# Altium PCB STB_LightBoard.PcbDoc (part 20 of 31) (continued)
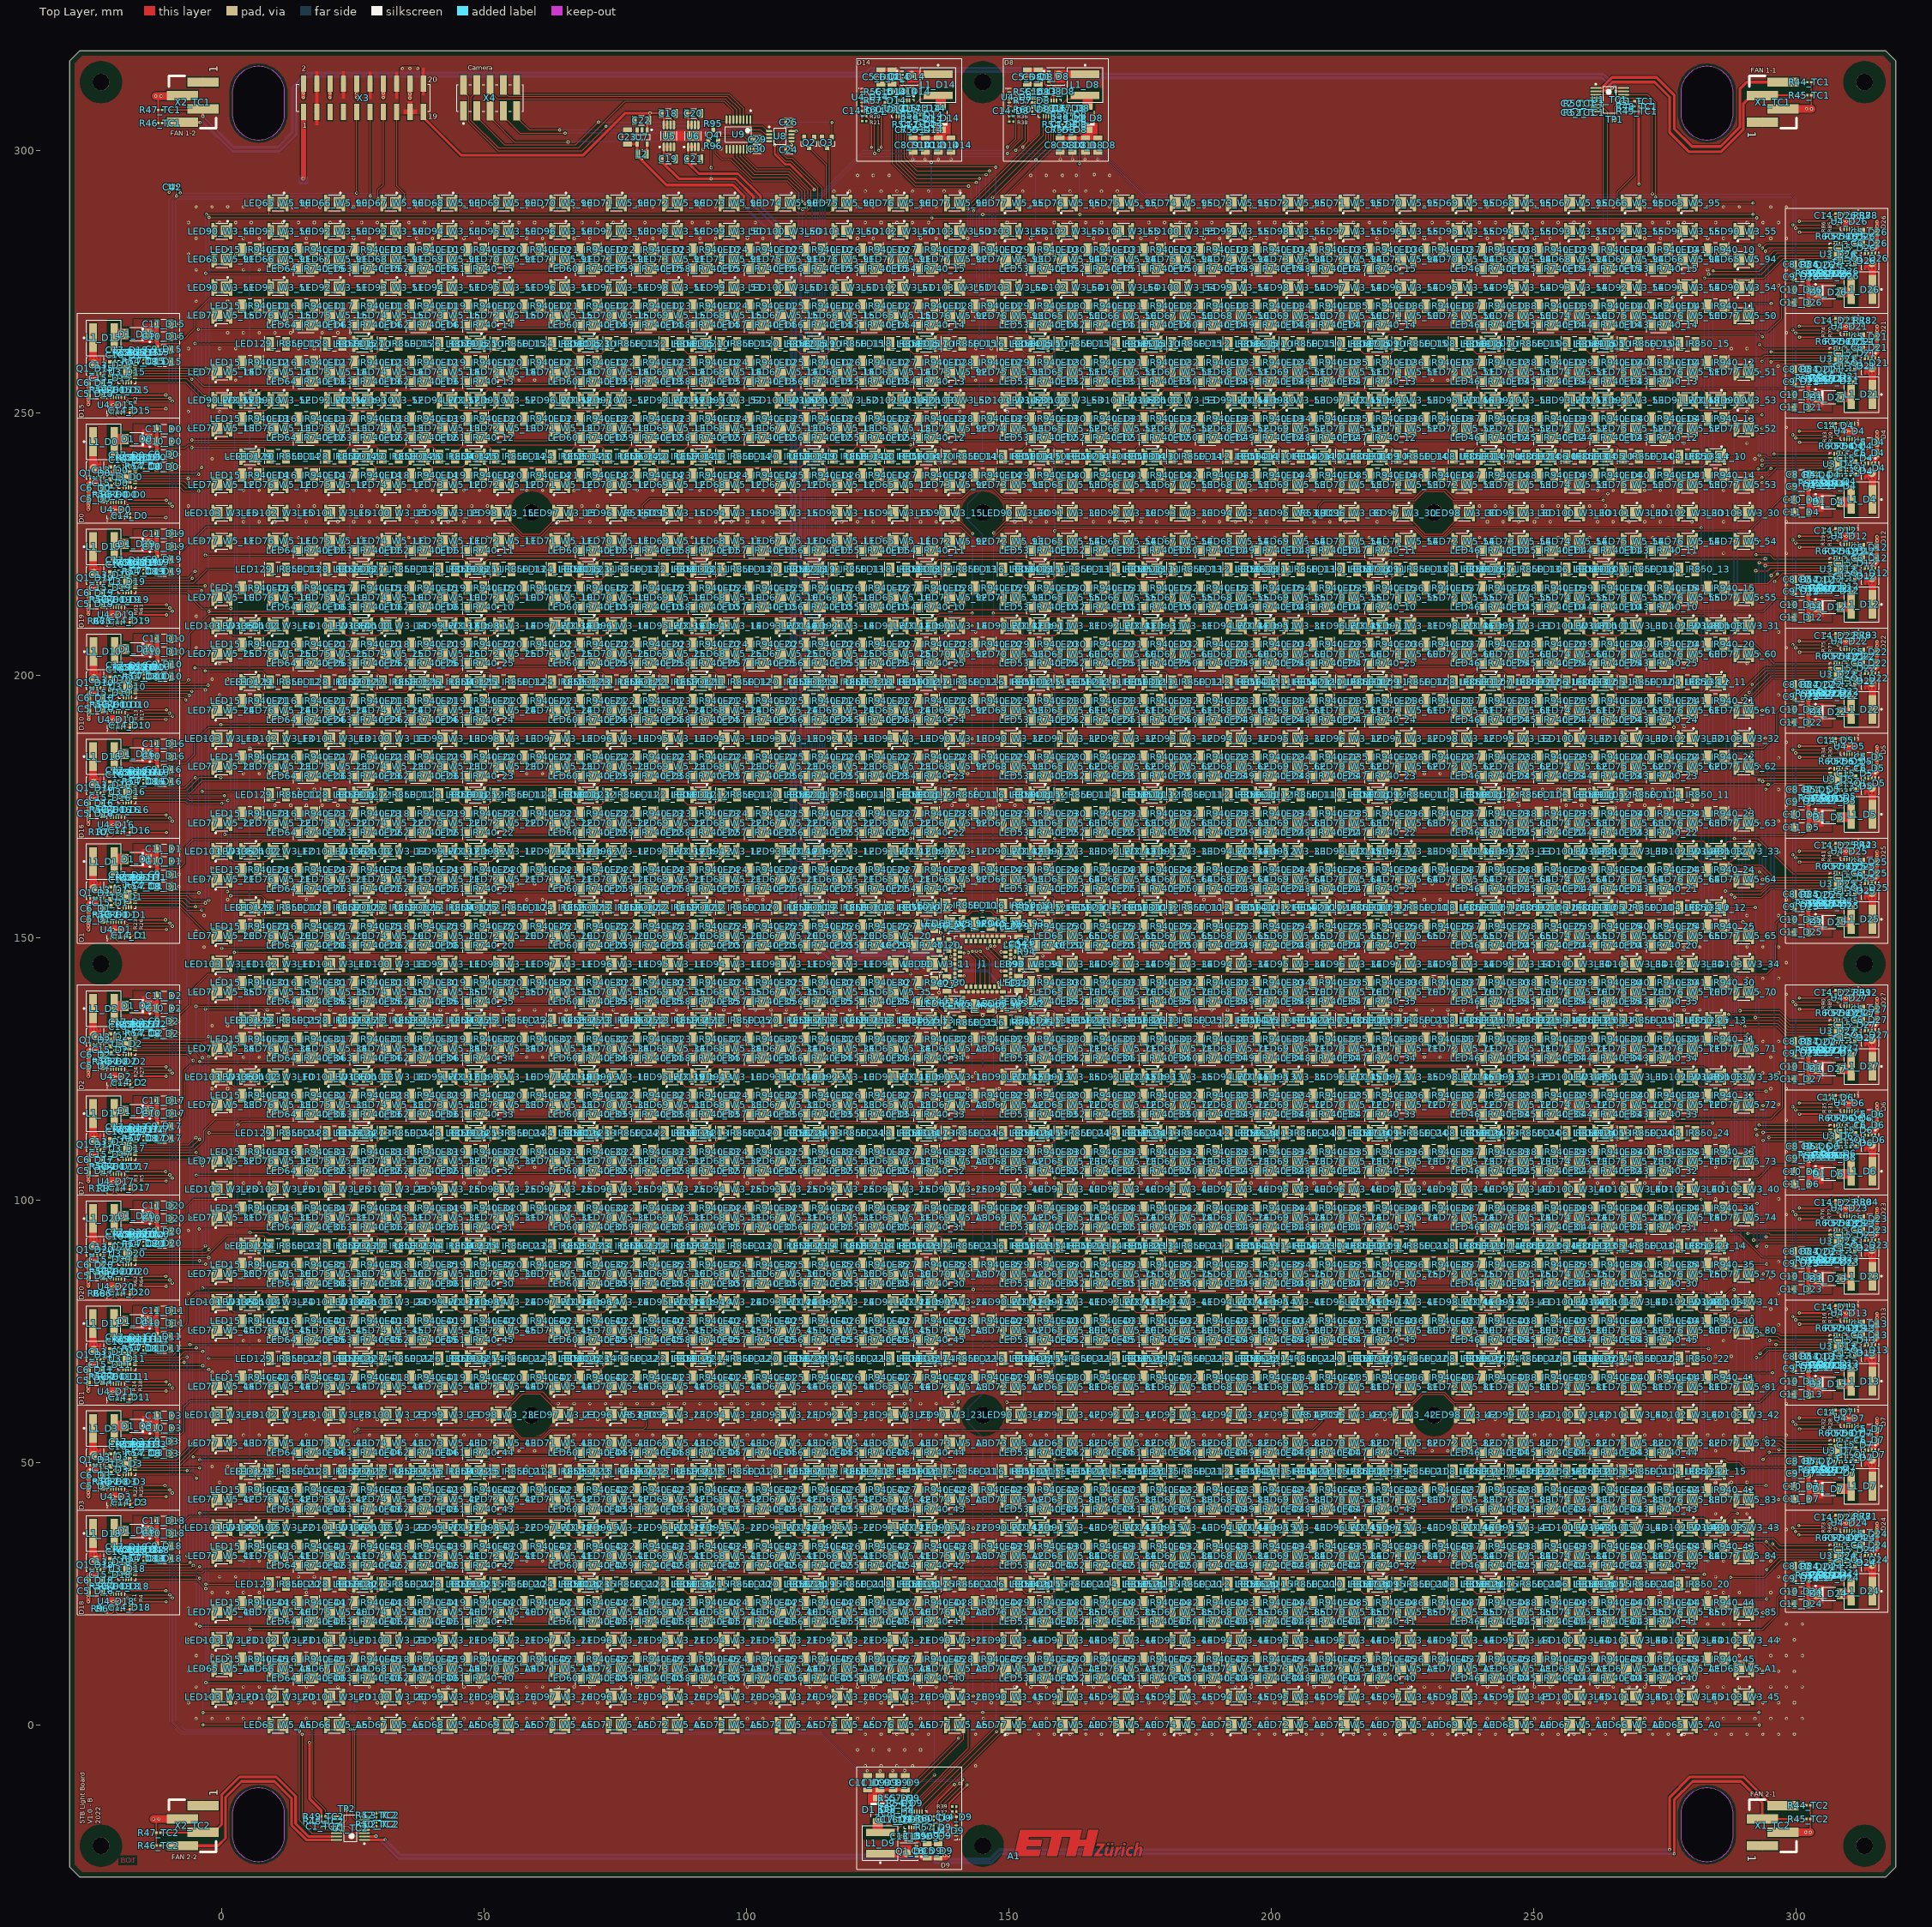
[diagram p0: Top Layer view]
## Nets (pads, with @x,y where several pads share a name; then routed paths per layer and width w, separated by ;. In a path a pad name is that pad's centre, name@x,y a point inside that pad or via, vN(x,y) a via of type N, cw(c..) or ccw(c..) an arc to the next point about the centre after c; other vN are vias at no path point) (continued)
NetLED38_IR940_23_1: LED38_IR940_23.1 LED39_IR940_23.2 | length 8.2
  Top Layer w0.2: LED38_IR940_23.1@253.913,173.656 254.447,174.19 261.12,174.19 LED39_IR940_23.2@261.654,173.656
NetLED38_IR940_24_1: LED38_IR940_24.1 LED39_IR940_24.2 | length 8.2
  Top Layer w0.2: LED38_IR940_24.1@253.913,162.915 254.447,163.449 261.12,163.449 LED39_IR940_24.2@261.654,162.915
NetLED38_IR940_25_1: LED38_IR940_25.1 LED39_IR940_25.2 | length 8.2
  Top Layer w0.2: LED38_IR940_25.1@253.913,152.174 254.447,152.708 261.12,152.708 LED39_IR940_25.2@261.654,152.174
NetLED38_IR940_30_1: LED38_IR940_30.1 LED39_IR940_30.2 | length 8.2
  Top Layer w0.2: LED38_IR940_30.1@253.913,141.433 254.447,141.967 261.12,141.967 LED39_IR940_30.2@261.654,141.433
NetLED38_IR940_31_1: LED38_IR940_31.1 LED39_IR940_31.2 | length 8.2
  Top Layer w0.2: LED38_IR940_31.1@253.913,130.692 254.447,131.226 261.12,131.226 LED39_IR940_31.2@261.654,130.692
NetLED38_IR940_32_1: LED38_IR940_32.1 LED39_IR940_32.2 | length 8.2
  Top Layer w0.2: LED38_IR940_32.1@253.913,119.951 254.447,120.485 261.12,120.485 LED39_IR940_32.2@261.654,119.951
NetLED38_IR940_33_1: LED38_IR940_33.1 LED39_IR940_33.2 | length 8.2
  Top Layer w0.2: LED38_IR940_33.1@253.913,109.21 254.447,109.744 261.12,109.744 LED39_IR940_33.2@261.654,109.21
NetLED38_IR940_34_1: LED38_IR940_34.1 LED39_IR940_34.2 | length 8.2
  Top Layer w0.2: LED38_IR940_34.1@253.913,98.469 254.447,99.003 261.12,99.003 LED39_IR940_34.2@261.654,98.469
NetLED38_IR940_35_1: LED38_IR940_35.1 LED39_IR940_35.2 | length 8.2
  Top Layer w0.2: LED38_IR940_35.1@253.913,87.728 254.447,88.262 261.12,88.262 LED39_IR940_35.2@261.654,87.728
NetLED38_IR940_40_1: LED38_IR940_40.1 LED39_IR940_40.2 | length 8.2
  Top Layer w0.2: LED38_IR940_40.1@253.913,76.987 254.447,77.521 261.12,77.521 LED39_IR940_40.2@261.654,76.987
NetLED38_IR940_41_1: LED38_IR940_41.1 LED39_IR940_41.2 | length 8.2
  Top Layer w0.2: LED38_IR940_41.1@253.913,66.246 254.447,66.78 261.12,66.78 LED39_IR940_41.2@261.654,66.246
NetLED38_IR940_42_1: LED38_IR940_42.1 LED39_IR940_42.2 | length 8.2
  Top Layer w0.2: LED38_IR940_42.1@253.913,44.764 254.447,45.298 261.12,45.298 LED39_IR940_42.2@261.654,44.764
NetLED38_IR940_43_1: LED38_IR940_43.1 LED39_IR940_43.2 | length 8.2
  Top Layer w0.2: LED38_IR940_43.1@253.913,34.023 254.447,34.557 261.12,34.557 LED39_IR940_43.2@261.654,34.023
NetLED38_IR940_44_1: LED38_IR940_44.1 LED39_IR940_44.2 | length 8.2
  Top Layer w0.2: LED38_IR940_44.1@253.913,23.282 254.447,23.816 261.12,23.816 LED39_IR940_44.2@261.654,23.282
NetLED38_IR940_45_1: LED38_IR940_45.1 LED39_IR940_45.2 | length 8.2
  Top Layer w0.2: LED38_IR940_45.1@253.913,12.541 254.447,13.075 261.12,13.075 LED39_IR940_45.2@261.654,12.541
NetLED39_IR940_10_1: LED39_IR940_10.1 LED40_IR940_10.2 | length 8.2
  Top Layer w0.2: LED39_IR940_10.1@264.654,281.066 265.188,281.6 271.861,281.6 LED40_IR940_10.2@272.395,281.066
NetLED39_IR940_11_1: LED39_IR940_11.1 LED40_IR940_11.2 | length 8.2
  Top Layer w0.2: LED39_IR940_11.1@264.654,270.325 265.188,270.859 271.861,270.859 LED40_IR940_11.2@272.395,270.325
NetLED39_IR940_12_1: LED39_IR940_12.1 LED40_IR940_12.2 | length 8.2
  Top Layer w0.2: LED39_IR940_12.1@264.654,259.584 265.188,260.118 271.861,260.118 LED40_IR940_12.2@272.395,259.584
NetLED39_IR940_13_1: LED39_IR940_13.1 LED40_IR940_13.2 | length 8.2
  Top Layer w0.2: LED39_IR940_13.1@264.654,248.843 265.188,249.377 271.861,249.377 LED40_IR940_13.2@272.395,248.843
NetLED39_IR940_14_1: LED39_IR940_14.1 LED40_IR940_14.2 | length 8.2
  Top Layer w0.2: LED39_IR940_14.1@264.654,238.102 265.188,238.636 271.861,238.636 LED40_IR940_14.2@272.395,238.102
NetLED39_IR940_15_1: LED39_IR940_15.1 LED40_IR940_15.2 | length 8.2
  Top Layer w0.2: LED39_IR940_15.1@264.654,216.62 265.188,217.154 271.861,217.154 LED40_IR940_15.2@272.395,216.62
NetLED39_IR940_20_1: LED39_IR940_20.1 LED40_IR940_20.2 | length 8.2
  Top Layer w0.2: LED39_IR940_20.1@264.654,205.879 265.188,206.413 271.861,206.413 LED40_IR940_20.2@272.395,205.879
NetLED39_IR940_21_1: LED39_IR940_21.1 LED40_IR940_21.2 | length 8.2
  Top Layer w0.2: LED39_IR940_21.1@264.654,195.138 265.188,195.672 271.861,195.672 LED40_IR940_21.2@272.395,195.138
NetLED39_IR940_22_1: LED39_IR940_22.1 LED40_IR940_22.2 | length 8.2
  Top Layer w0.2: LED39_IR940_22.1@264.654,184.397 265.188,184.931 271.861,184.931 LED40_IR940_22.2@272.395,184.397
NetLED39_IR940_23_1: LED39_IR940_23.1 LED40_IR940_23.2 | length 8.2
  Top Layer w0.2: LED39_IR940_23.1@264.654,173.656 265.188,174.19 271.861,174.19 LED40_IR940_23.2@272.395,173.656
NetLED39_IR940_24_1: LED39_IR940_24.1 LED40_IR940_24.2 | length 8.2
  Top Layer w0.2: LED39_IR940_24.1@264.654,162.915 265.188,163.449 271.861,163.449 LED40_IR940_24.2@272.395,162.915
NetLED39_IR940_25_1: LED39_IR940_25.1 LED40_IR940_25.2 | length 8.2
  Top Layer w0.2: LED39_IR940_25.1@264.654,152.174 265.188,152.708 271.861,152.708 LED40_IR940_25.2@272.395,152.174
NetLED39_IR940_30_1: LED39_IR940_30.1 LED40_IR940_30.2 | length 8.2
  Top Layer w0.2: LED39_IR940_30.1@264.654,141.433 265.188,141.967 271.861,141.967 LED40_IR940_30.2@272.395,141.433
NetLED39_IR940_31_1: LED39_IR940_31.1 LED40_IR940_31.2 | length 8.2
  Top Layer w0.2: LED39_IR940_31.1@264.654,130.692 265.188,131.226 271.861,131.226 LED40_IR940_31.2@272.395,130.692
NetLED39_IR940_32_1: LED39_IR940_32.1 LED40_IR940_32.2 | length 8.2
  Top Layer w0.2: LED39_IR940_32.1@264.654,119.951 265.188,120.485 271.861,120.485 LED40_IR940_32.2@272.395,119.951
NetLED39_IR940_33_1: LED39_IR940_33.1 LED40_IR940_33.2 | length 8.2
  Top Layer w0.2: LED39_IR940_33.1@264.654,109.21 265.188,109.744 271.861,109.744 LED40_IR940_33.2@272.395,109.21
NetLED39_IR940_34_1: LED39_IR940_34.1 LED40_IR940_34.2 | length 8.2
  Top Layer w0.2: LED39_IR940_34.1@264.654,98.469 265.188,99.003 271.861,99.003 LED40_IR940_34.2@272.395,98.469
NetLED39_IR940_35_1: LED39_IR940_35.1 LED40_IR940_35.2 | length 8.2
  Top Layer w0.2: LED39_IR940_35.1@264.654,87.728 265.188,88.262 271.861,88.262 LED40_IR940_35.2@272.395,87.728
NetLED39_IR940_40_1: LED39_IR940_40.1 LED40_IR940_40.2 | length 8.2
  Top Layer w0.2: LED39_IR940_40.1@264.654,76.987 265.188,77.521 271.861,77.521 LED40_IR940_40.2@272.395,76.987
NetLED39_IR940_41_1: LED39_IR940_41.1 LED40_IR940_41.2 | length 8.2
  Top Layer w0.2: LED39_IR940_41.1@264.654,66.246 265.188,66.78 271.861,66.78 LED40_IR940_41.2@272.395,66.246
NetLED39_IR940_42_1: LED39_IR940_42.1 LED40_IR940_42.2 | length 8.2
  Top Layer w0.2: LED39_IR940_42.1@264.654,44.764 265.188,45.298 271.861,45.298 LED40_IR940_42.2@272.395,44.764
NetLED39_IR940_43_1: LED39_IR940_43.1 LED40_IR940_43.2 | length 8.2
  Top Layer w0.2: LED39_IR940_43.1@264.654,34.023 265.188,34.557 271.861,34.557 LED40_IR940_43.2@272.395,34.023
NetLED39_IR940_44_1: LED39_IR940_44.1 LED40_IR940_44.2 | length 8.2
  Top Layer w0.2: LED39_IR940_44.1@264.654,23.282 265.188,23.816 271.861,23.816 LED40_IR940_44.2@272.395,23.282
NetLED39_IR940_45_1: LED39_IR940_45.1 LED40_IR940_45.2 | length 8.2
  Top Layer w0.2: LED39_IR940_45.1@264.654,12.541 265.188,13.075 271.861,13.075 LED40_IR940_45.2@272.395,12.541
NetLED40_IR940_10_1: LED40_IR940_10.1 LED41_IR940_10.2 | length 6.7
  Top Layer w0.2: LED40_IR940_10.1@275.929,281.6 LED41_IR940_10.2@282.602,281.6
NetLED40_IR940_11_1: LED40_IR940_11.1 LED41_IR940_11.2 | length 6.7
  Top Layer w0.2: LED40_IR940_11.1@275.929,270.859 LED41_IR940_11.2@282.602,270.859
NetLED40_IR940_12_1: LED40_IR940_12.1 LED41_IR940_12.2 | length 6.7
  Top Layer w0.2: LED40_IR940_12.1@275.929,260.118 LED41_IR940_12.2@282.602,260.118
NetLED40_IR940_13_1: LED40_IR940_13.1 LED41_IR940_13.2 | length 6.7
  Top Layer w0.2: LED40_IR940_13.1@275.929,249.377 LED41_IR940_13.2@282.602,249.377
NetLED40_IR940_14_1: LED40_IR940_14.1 LED41_IR940_14.2 | length 6.7
  Top Layer w0.2: LED40_IR940_14.1@275.929,238.636 LED41_IR940_14.2@282.602,238.636
NetLED40_IR940_15_1: LED40_IR940_15.1 LED41_IR940_15.2 | length 6.7
  Top Layer w0.2: LED40_IR940_15.1@275.929,217.154 LED41_IR940_15.2@282.602,217.154
NetLED40_IR940_20_1: LED40_IR940_20.1 LED41_IR940_20.2 | length 6.7
  Top Layer w0.2: LED40_IR940_20.1@275.929,206.413 LED41_IR940_20.2@282.602,206.413
NetLED40_IR940_21_1: LED40_IR940_21.1 LED41_IR940_21.2 | length 6.7
  Top Layer w0.2: LED40_IR940_21.1@275.929,195.672 LED41_IR940_21.2@282.602,195.672
NetLED40_IR940_22_1: LED40_IR940_22.1 LED41_IR940_22.2 | length 6.7
  Top Layer w0.2: LED40_IR940_22.1@275.929,184.931 LED41_IR940_22.2@282.602,184.931
NetLED40_IR940_23_1: LED40_IR940_23.1 LED41_IR940_23.2 | length 6.7
  Top Layer w0.2: LED40_IR940_23.1@275.929,174.19 LED41_IR940_23.2@282.602,174.19
NetLED40_IR940_24_1: LED40_IR940_24.1 LED41_IR940_24.2 | length 6.7
  Top Layer w0.2: LED40_IR940_24.1@275.929,163.449 LED41_IR940_24.2@282.602,163.449
NetLED40_IR940_25_1: LED40_IR940_25.1 LED41_IR940_25.2 | length 6.7
  Top Layer w0.2: LED40_IR940_25.1@275.929,152.708 LED41_IR940_25.2@282.602,152.708
NetLED40_IR940_30_1: LED40_IR940_30.1 LED41_IR940_30.2 | length 6.7
  Top Layer w0.2: LED40_IR940_30.1@275.929,141.967 LED41_IR940_30.2@282.602,141.967
NetLED40_IR940_31_1: LED40_IR940_31.1 LED41_IR940_31.2 | length 6.7
  Top Layer w0.2: LED40_IR940_31.1@275.929,131.226 LED41_IR940_31.2@282.602,131.226
NetLED40_IR940_32_1: LED40_IR940_32.1 LED41_IR940_32.2 | length 6.7
  Top Layer w0.2: LED40_IR940_32.1@275.929,120.485 LED41_IR940_32.2@282.602,120.485
NetLED40_IR940_33_1: LED40_IR940_33.1 LED41_IR940_33.2 | length 6.7
  Top Layer w0.2: LED40_IR940_33.1@275.929,109.744 LED41_IR940_33.2@282.602,109.744
NetLED40_IR940_34_1: LED40_IR940_34.1 LED41_IR940_34.2 | length 6.7
  Top Layer w0.2: LED40_IR940_34.1@275.929,99.003 LED41_IR940_34.2@282.602,99.003
NetLED40_IR940_35_1: LED40_IR940_35.1 LED41_IR940_35.2 | length 6.7
  Top Layer w0.2: LED40_IR940_35.1@275.929,88.262 LED41_IR940_35.2@282.602,88.262
NetLED40_IR940_40_1: LED40_IR940_40.1 LED41_IR940_40.2 | length 6.7
  Top Layer w0.2: LED40_IR940_40.1@275.929,77.521 LED41_IR940_40.2@282.602,77.521
NetLED40_IR940_41_1: LED40_IR940_41.1 LED41_IR940_41.2 | length 6.7
  Top Layer w0.2: LED40_IR940_41.1@275.929,66.78 LED41_IR940_41.2@282.602,66.78
NetLED40_IR940_42_1: LED40_IR940_42.1 LED41_IR940_42.2 | length 6.7
  Top Layer w0.2: LED40_IR940_42.1@275.929,45.298 LED41_IR940_42.2@282.602,45.298
NetLED40_IR940_43_1: LED40_IR940_43.1 LED41_IR940_43.2 | length 6.7
  Top Layer w0.2: LED40_IR940_43.1@275.929,34.557 LED41_IR940_43.2@282.602,34.557
NetLED40_IR940_44_1: LED40_IR940_44.1 LED41_IR940_44.2 | length 6.7
  Top Layer w0.2: LED40_IR940_44.1@275.929,23.816 LED41_IR940_44.2@282.602,23.816
NetLED40_IR940_45_1: LED40_IR940_45.1 LED41_IR940_45.2 | length 6.7
  Top Layer w0.2: LED40_IR940_45.1@275.929,13.075 LED41_IR940_45.2@282.602,13.075
NetLED41_IR940_10_1: LED41_IR940_10.1 U3_D21.10 | length 39.7
  Top Layer w0.2: LED41_IR940_10.1@286.786,281.932 286.786,281.935 v1(292.965,281.935) ; v1(292.968,263.032) 293.8,262.2 U3_D21.10@307.25,262.2
  Bottom Layer w0.2: v1(292.965,281.935) 292.989,281.911 292.989,263.053 v1(292.968,263.032)
NetLED41_IR940_11_1: LED41_IR940_11.1 U3_D21.11 | length 29.1
  Top Layer w0.2: LED41_IR940_11.1@286.786,270.896 286.786,270.86 v1(295.23,270.86) ; v1(295.192,261.62) 295.538,261.62 295.726,261.431 306.481,261.431 U3_D21.11@306.5,261.45
  Bottom Layer w0.2: v1(295.192,261.62) 295.214,261.641 295.214,270.844 v1(295.23,270.86)
NetLED41_IR940_12_1: LED41_IR940_12.1 U3_D21.12 | length 19.9
  Top Layer w0.2: LED41_IR940_12.1@286.786,260.45 293.45,260.45 293.93,260.93 U3_D21.12@306.159,260.93 ; U3_D21.12@306.16,260.931 306.481,260.931 U3_D21.12@306.5,260.95
NetLED41_IR940_13_1: LED41_IR940_13.1 U3_D21.13 | length 31.2
  Top Layer w0.2: LED41_IR940_13.1@286.136,248.843 286.136,248.962 286.786,249.612 v1@293.488,249.612 ; v1(293.5,259.8) 294.15,260.45 U3_D21.13@306.5,260.45
  Bottom Layer w0.2: v1(293.5,249.6) 293.5,254.273 293.514,254.287 293.514,258.565 293.5,258.579 v1(293.5,259.8)
NetLED41_IR940_14_1: LED41_IR940_14.1 U3_D21.14 | length 40.4
  Top Layer w0.2: LED41_IR940_14.1@286.786,238.766 294.538,238.766 295.149,239.377 v1(295.201,239.377) ; v1(295.192,259.684) 295.269,259.762 295.479,259.762 295.667,259.95 U3_D21.14@306.5,259.95
  Bottom Layer w0.2: v1(295.192,259.684) 295.192,239.386 v1(295.201,239.377)
NetLED41_IR940_15_1: LED41_IR940_15.1 U3_D21.15 | length 60.3
  Top Layer w0.2: LED41_IR940_15.1@286.786,217.486 294.586,217.486 296.414,219.314 v1(296.433,219.314) ; v1(296.546,258.896) 297.1,259.45 U3_D21.15@306.5,259.45
  Bottom Layer w0.2: v1(296.433,219.314) 296.49,219.37 v1@296.49,258.833 ; v1@296.49,258.833 296.549,258.893 v1@296.49,258.833
NetLED41_IR940_20_1: LED41_IR940_20.1 U3_D22.10 | length 22.6
  Top Layer w0.2: LED41_IR940_20.1@286.136,205.879 287.895,205.879 287.903,205.887 292.113,205.887 295.8,202.2 U3_D22.10@307.25,202.2
NetLED41_IR940_21_1: LED41_IR940_21.1 U3_D22.11 | length 23
  Top Layer w0.2: LED41_IR940_21.1@286.136,195.138 287.755,195.138 294.067,201.45 U3_D22.11@306.5,201.45
NetLED41_IR940_22_1: LED41_IR940_22.1 U3_D22.12 | length 38.6
  Top Layer w0.2: v1(291.6,198.2) 294.35,200.95 U3_D22.12@306.5,200.95 ; LED41_IR940_22.1@286.786,185.263 291.6,185.263 LED41_IR940_22.1@286.786,185.263
  Bottom Layer w0.2: v1(291.6,185.3) v1(291.6,198.2)
NetLED41_IR940_23_1: LED41_IR940_23.1 U3_D22.13 | length 47.9
  Top Layer w0.2: v1(291.046,196.7) 291.046,196.746 294.75,200.45 U3_D22.13@306.5,200.45 ; LED41_IR940_23.1@286.786,174.522 291.092,174.522 LED41_IR940_23.1@286.786,174.522
  Bottom Layer w0.2: v1(291.046,196.7) 291.046,174.546 v1(291.092,174.5)
NetLED41_IR940_24_1: LED41_IR940_24.1 U3_D22.14 | length 54.2
  Top Layer w0.2: LED41_IR940_24.1@286.786,163.246 286.786,163.211 v1(290.3,163.211) ; v1(290.4,196.1) 291.4,196.1 295.25,199.95 U3_D22.14@306.5,199.95
  Bottom Layer w0.2: v1(290.3,163.211) 290.35,163.261 290.35,196.05 v1(290.4,196.1)
NetLED41_IR940_25_1: LED41_IR940_25.1 U3_D22.15 | length 64.1
  Top Layer w0.2: LED41_IR940_25.1@286.786,153.04 289.814,153.04 v1(289.854,153) ; v1(289.7,195.5) 291.5,195.5 295.45,199.45 U3_D22.15@306.5,199.45
  Bottom Layer w0.2: v1(289.7,195.5) 289.7,153.263 289.854,153.109 v1(289.854,153)
NetLED41_IR940_30_1: LED41_IR940_30.1 U3_D23.10 | length 69.5
  Top Layer w0.2: LED41_IR940_30.1@286.136,141.433 286.136,141.55 286.786,142.2 v1(287.7,142.2) ; v1(287.7,94.246) 287.746,94.2 U3_D23.10@307.25,94.2
  Bottom Layer w0.2: v1(287.7,94.246) v1(287.7,142.2)
NetLED41_IR940_31_1: LED41_IR940_31.1 U3_D23.11 | length 57.9
  Top Layer w0.2: LED41_IR940_31.1@286.786,131.558 286.786,131.6 v1(290.8,131.6) v1@290.842,131.558 ; v1(290.8,93.646) 290.854,93.7 294.8,93.7 295.05,93.45 U3_D23.11@306.5,93.45
  Bottom Layer w0.2: v1(290.8,93.646) v1(290.8,131.6)
NetLED41_IR940_32_1: LED41_IR940_32.1 U3_D23.12 | length 47.5
  Top Layer w0.2: LED41_IR940_32.1@286.786,120.817 286.786,120.75 v1(294.25,120.75) ; v1(294.25,93.004) 294.304,92.95 U3_D23.12@306.5,92.95
  Bottom Layer w0.2: v1(294.25,93.004) v1(294.25,120.75)
NetLED41_IR940_33_1: LED41_IR940_33.1 U3_D23.13 | length 42.5
  Top Layer w0.2: v1(291.9,92.4) 291.95,92.45 U3_D23.13@306.5,92.45 ; LED41_IR940_33.1@286.786,110.076 291.9,110.076 LED41_IR940_33.1@286.786,110.076
  Bottom Layer w0.2: v1(291.9,92.4) v1(291.9,110.1)
NetLED41_IR940_34_1: LED41_IR940_34.1 U3_D23.14 | length 28.3
  Top Layer w0.2: LED41_IR940_34.1@286.786,99.335 286.786,99.356 v1(292.549,99.356) ; v1(292.5,91.2) 293.25,91.95 U3_D23.14@306.5,91.95
  Bottom Layer w0.2: v1(292.5,91.2) 292.549,91.249 v1(292.549,99.356)
NetLED41_IR940_35_1: LED41_IR940_35.1 U3_D23.15 | length 24
  Top Layer w0.2: LED41_IR940_35.1@286.136,87.728 287.884,87.728 287.956,87.8 v1(294.4,87.8) ; v1(294.335,91.163) 294.444,91.163 294.731,91.45 U3_D23.15@306.5,91.45
  Bottom Layer w0.2: v1(294.335,91.163) 294.367,91.13 294.367,87.833 v1(294.4,87.8)
NetLED41_IR940_40_1: LED41_IR940_40.1 U3_D24.10 | length 68.3
  Top Layer w0.2: v1(291.6,35.4) 291.654,35.454 295.646,35.454 296.9,34.2 U3_D24.10@307.25,34.2 ; LED41_IR940_40.1@286.786,77.853 291.6,77.853 LED41_IR940_40.1@286.786,77.853
  Bottom Layer w0.2: v1(291.6,35.4) v1(291.6,77.9)
NetLED41_IR940_41_1: LED41_IR940_41.1 U3_D24.11 | length 52.8
  Top Layer w0.2: LED41_IR940_41.1@286.786,67.112 286.786,67.114 v1(295.491,67.114) ; v1(295.5,34.5) 296.55,33.45 U3_D24.11@306.5,33.45
  Bottom Layer w0.2: v1(295.491,67.114) 295.495,67.109 295.495,34.505 v1(295.5,34.5)
NetLED41_IR940_42_1: LED41_IR940_42.1 U3_D24.12 | length 31.2
  Top Layer w0.2: LED41_IR940_42.1@286.786,45.6 v1(294.254,45.6) ; v1(294.3,34.9) 294.3,34.883 296.233,32.95 U3_D24.12@306.5,32.95
  Bottom Layer w0.2: v1(294.254,45.6) 294.3,45.554 v1(294.3,34.9)
NetLED41_IR940_43_1: LED41_IR940_43.1 U3_D24.13 | length 20.7
  Top Layer w0.2: LED41_IR940_43.1@286.786,34.889 286.786,34.846 293.554,34.846 295.95,32.45 U3_D24.13@306.5,32.45
NetLED41_IR940_44_1: LED41_IR940_44.1 U3_D24.14 | length 26.6
  Top Layer w0.2: LED41_IR940_44.1@286.786,24.3 286.786,24 v1(294.4,24) ; v1(294.4,29.6) 296.75,31.95 U3_D24.14@306.5,31.95
  Bottom Layer w0.2: v1(294.4,24) v1(294.4,29.6)
NetLED41_IR940_45_1: LED41_IR940_45.1 U3_D24.15 | length 38.4
  Top Layer w0.2: v1(287.43,12.541) LED41_IR940_45.1@286.786,12.541 ; v1(287.5,28.123) 293.86,28.123 297.187,31.45 U3_D24.15@306.5,31.45 ; LED41_IR940_45.1@286.786,12.541 286.786,13.407 LED41_IR940_45.1@286.786,12.541
  Bottom Layer w0.2: v1(287.43,12.541) 287.465,12.576 287.465,27.978 287.5,28.013 v1(287.5,28.123)
NetLED42_r_10_1: LED42_r_10.1 LED130_r_10.2 | length 10.5
  Top Layer w0.2: LED42_r_10.1@211.149,241.65 211.149,240.375 211.824,239.7 217.815,239.7 218.49,240.375 LED130_r_10.2@218.49,241.65
NetLED42_r_11_1: LED42_r_11.1 LED130_r_11.2 | length 10.5
  Top Layer w0.2: LED42_r_11.1@211.149,198.686 211.149,197.411 211.824,196.736 217.815,196.736 218.49,197.411 LED130_r_11.2@218.49,198.686
NetLED42_r_12_1: LED42_r_12.1 LED130_r_12.2 | length 10.5
  Top Layer w0.2: LED42_r_12.1@211.149,155.722 211.149,154.447 211.824,153.772 217.815,153.772 218.49,154.447 LED130_r_12.2@218.49,155.722
NetLED42_r_13_1: LED42_r_13.1 LED130_r_13.2 | length 10.5
  Top Layer w0.2: LED42_r_13.1@211.149,134.24 211.149,132.965 211.824,132.29 217.815,132.29 218.49,132.965 LED130_r_13.2@218.49,134.24
NetLED42_r_14_1: LED42_r_14.1 LED130_r_14.2 | length 10.5
  Top Layer w0.2: LED42_r_14.1@211.149,91.276 211.149,90.001 211.824,89.326 217.815,89.326 218.49,90.001 LED130_r_14.2@218.49,91.276
NetLED42_r_15_1: LED42_r_15.1 LED130_r_15.2 | length 10.5
  Top Layer w0.2: LED42_r_15.1@211.149,48.312 211.149,47.037 211.824,46.362 217.815,46.362 218.49,47.037 LED130_r_15.2@218.49,48.312
NetLED43_IR740_10_1: LED43_IR740_10.1 LED44_IR740_10.2 | length 6.7
  Top Layer w0.2: LED44_IR740_10.2@265.088,212.486 271.761,212.486
NetLED43_IR740_11_1: LED43_IR740_11.1 LED44_IR740_11.2 | length 6.7
  Top Layer w0.2: LED44_IR740_11.2@265.088,223.227 271.761,223.227
NetLED43_IR740_12_1: LED43_IR740_12.1 LED44_IR740_12.2 | length 6.7
  Top Layer w0.2: LED44_IR740_12.2@265.088,244.709 271.761,244.709
NetLED43_IR740_13_1: LED43_IR740_13.1 LED44_IR740_13.2 | length 6.7
  Top Layer w0.2: LED44_IR740_13.2@265.088,255.45 271.761,255.45
NetLED43_IR740_14_1: LED43_IR740_14.1 LED44_IR740_14.2 | length 6.7
  Top Layer w0.2: LED44_IR740_14.2@265.088,266.191 271.761,266.191
NetLED43_IR740_15_1: LED43_IR740_15.1 LED44_IR740_15.2 | length 6.7
  Top Layer w0.2: LED44_IR740_15.2@265.088,276.932 271.761,276.932
NetLED43_IR740_20_1: LED43_IR740_20.1 LED44_IR740_20.2 | length 6.7
  Top Layer w0.2: LED44_IR740_20.2@265.088,148.04 271.761,148.04
NetLED43_IR740_21_1: LED43_IR740_21.1 LED44_IR740_21.2 | length 6.7
  Top Layer w0.2: LED44_IR740_21.2@265.088,158.781 271.761,158.781
NetLED43_IR740_22_1: LED43_IR740_22.1 LED44_IR740_22.2 | length 6.7
  Top Layer w0.2: LED44_IR740_22.2@265.088,169.522 271.761,169.522
NetLED43_IR740_23_1: LED43_IR740_23.1 LED44_IR740_23.2 | length 6.7
  Top Layer w0.2: LED44_IR740_23.2@265.088,180.263 271.761,180.263
NetLED43_IR740_24_1: LED43_IR740_24.1 LED44_IR740_24.2 | length 6.7
  Top Layer w0.2: LED44_IR740_24.2@265.088,191.004 271.761,191.004
NetLED43_IR740_25_1: LED43_IR740_25.1 LED44_IR740_25.2 | length 6.7
  Top Layer w0.2: LED44_IR740_25.2@265.088,201.745 271.761,201.745
NetLED43_IR740_30_1: LED43_IR740_30.1 LED44_IR740_30.2 | length 6.7
  Top Layer w0.2: LED44_IR740_30.2@265.088,83.594 271.761,83.594
NetLED43_IR740_31_1: LED43_IR740_31.1 LED44_IR740_31.2 | length 6.7
  Top Layer w0.2: LED44_IR740_31.2@265.088,94.335 271.761,94.335
NetLED43_IR740_32_1: LED43_IR740_32.1 LED44_IR740_32.2 | length 6.7
  Top Layer w0.2: LED44_IR740_32.2@265.088,105.076 271.761,105.076
NetLED43_IR740_33_1: LED43_IR740_33.1 LED44_IR740_33.2 | length 6.7
  Top Layer w0.2: LED44_IR740_33.2@265.088,115.817 271.761,115.817
NetLED43_IR740_34_1: LED43_IR740_34.1 LED44_IR740_34.2 | length 6.7
  Top Layer w0.2: LED44_IR740_34.2@265.088,126.558 271.761,126.558
NetLED43_IR740_35_1: LED43_IR740_35.1 LED44_IR740_35.2 | length 6.7
  Top Layer w0.2: LED44_IR740_35.2@265.088,137.299 271.761,137.299
NetLED43_IR740_40_1: LED43_IR740_40.1 LED44_IR740_40.2 | length 6.7
  Top Layer w0.2: LED44_IR740_40.2@265.088,8.407 271.761,8.407
NetLED43_IR740_41_1: LED43_IR740_41.1 LED44_IR740_41.2 | length 6.7
  Top Layer w0.2: LED44_IR740_41.2@265.088,19.148 271.761,19.148
NetLED43_IR740_42_1: LED43_IR740_42.1 LED44_IR740_42.2 | length 6.7
  Top Layer w0.2: LED44_IR740_42.2@265.088,29.889 271.761,29.889
NetLED43_IR740_43_1: LED43_IR740_43.1 LED44_IR740_43.2 | length 6.7
  Top Layer w0.2: LED44_IR740_43.2@265.088,40.63 271.761,40.63
NetLED43_IR740_44_1: LED43_IR740_44.1 LED44_IR740_44.2 | length 6.7
  Top Layer w0.2: LED44_IR740_44.2@265.088,51.371 271.761,51.371
NetLED43_IR740_45_1: LED43_IR740_45.1 LED44_IR740_45.2 | length 6.7
  Top Layer w0.2: LED44_IR740_45.2@265.088,72.853 271.761,72.853
NetLED44_IR740_10_1: LED44_IR740_10.1 LED45_IR740_10.2 | length 6.7
  Top Layer w0.2: LED45_IR740_10.2@254.347,212.486 261.02,212.486
NetLED44_IR740_11_1: LED44_IR740_11.1 LED45_IR740_11.2 | length 6.7
  Top Layer w0.2: LED45_IR740_11.2@254.347,223.227 261.02,223.227
NetLED44_IR740_12_1: LED44_IR740_12.1 LED45_IR740_12.2 | length 6.7
  Top Layer w0.2: LED45_IR740_12.2@254.347,244.709 261.02,244.709
NetLED44_IR740_13_1: LED44_IR740_13.1 LED45_IR740_13.2 | length 6.7
  Top Layer w0.2: LED45_IR740_13.2@254.347,255.45 261.02,255.45
NetLED44_IR740_14_1: LED44_IR740_14.1 LED45_IR740_14.2 | length 6.7
  Top Layer w0.2: LED45_IR740_14.2@254.347,266.191 261.02,266.191
NetLED44_IR740_15_1: LED44_IR740_15.1 LED45_IR740_15.2 | length 6.7
  Top Layer w0.2: LED45_IR740_15.2@254.347,276.932 261.02,276.932
NetLED44_IR740_20_1: LED44_IR740_20.1 LED45_IR740_20.2 | length 6.7
  Top Layer w0.2: LED45_IR740_20.2@254.347,148.04 261.02,148.04
NetLED44_IR740_21_1: LED44_IR740_21.1 LED45_IR740_21.2 | length 6.7
  Top Layer w0.2: LED45_IR740_21.2@254.347,158.781 261.02,158.781
NetLED44_IR740_22_1: LED44_IR740_22.1 LED45_IR740_22.2 | length 6.7
  Top Layer w0.2: LED45_IR740_22.2@254.347,169.522 261.02,169.522
NetLED44_IR740_23_1: LED44_IR740_23.1 LED45_IR740_23.2 | length 6.7
  Top Layer w0.2: LED45_IR740_23.2@254.347,180.263 261.02,180.263
NetLED44_IR740_24_1: LED44_IR740_24.1 LED45_IR740_24.2 | length 6.7
  Top Layer w0.2: LED45_IR740_24.2@254.347,191.004 261.02,191.004
NetLED44_IR740_25_1: LED44_IR740_25.1 LED45_IR740_25.2 | length 6.7
  Top Layer w0.2: LED45_IR740_25.2@254.347,201.745 261.02,201.745
NetLED44_IR740_30_1: LED44_IR740_30.1 LED45_IR740_30.2 | length 6.7
  Top Layer w0.2: LED45_IR740_30.2@254.347,83.594 261.02,83.594
NetLED44_IR740_31_1: LED44_IR740_31.1 LED45_IR740_31.2 | length 6.7
  Top Layer w0.2: LED45_IR740_31.2@254.347,94.335 261.02,94.335
NetLED44_IR740_32_1: LED44_IR740_32.1 LED45_IR740_32.2 | length 6.7
  Top Layer w0.2: LED45_IR740_32.2@254.347,105.076 261.02,105.076
NetLED44_IR740_33_1: LED44_IR740_33.1 LED45_IR740_33.2 | length 6.7
  Top Layer w0.2: LED45_IR740_33.2@254.347,115.817 261.02,115.817
NetLED44_IR740_34_1: LED44_IR740_34.1 LED45_IR740_34.2 | length 6.7
  Top Layer w0.2: LED45_IR740_34.2@254.347,126.558 261.02,126.558
NetLED44_IR740_35_1: LED44_IR740_35.1 LED45_IR740_35.2 | length 6.7
  Top Layer w0.2: LED45_IR740_35.2@254.347,137.299 261.02,137.299
NetLED44_IR740_40_1: LED44_IR740_40.1 LED45_IR740_40.2 | length 6.7
  Top Layer w0.2: LED45_IR740_40.2@254.347,8.407 261.02,8.407
NetLED44_IR740_41_1: LED44_IR740_41.1 LED45_IR740_41.2 | length 6.7
  Top Layer w0.2: LED45_IR740_41.2@254.347,19.148 261.02,19.148
NetLED44_IR740_42_1: LED44_IR740_42.1 LED45_IR740_42.2 | length 6.7
  Top Layer w0.2: LED45_IR740_42.2@254.347,29.889 261.02,29.889
NetLED44_IR740_43_1: LED44_IR740_43.1 LED45_IR740_43.2 | length 6.7
  Top Layer w0.2: LED45_IR740_43.2@254.347,40.63 261.02,40.63
NetLED44_IR740_44_1: LED44_IR740_44.1 LED45_IR740_44.2 | length 6.7
  Top Layer w0.2: LED45_IR740_44.2@254.347,51.371 261.02,51.371
NetLED44_IR740_45_1: LED44_IR740_45.1 LED45_IR740_45.2 | length 6.7
  Top Layer w0.2: LED45_IR740_45.2@254.347,72.853 261.02,72.853
NetLED45_IR740_10_1: LED45_IR740_10.1 LED46_IR740_10.2 | length 6.7
  Top Layer w0.2: LED46_IR740_10.2@243.606,212.486 250.279,212.486
NetLED45_IR740_11_1: LED45_IR740_11.1 LED46_IR740_11.2 | length 6.7
  Top Layer w0.2: LED46_IR740_11.2@243.606,223.227 250.279,223.227
NetLED45_IR740_12_1: LED45_IR740_12.1 LED46_IR740_12.2 | length 6.7
  Top Layer w0.2: LED46_IR740_12.2@243.606,244.709 250.279,244.709
NetLED45_IR740_13_1: LED45_IR740_13.1 LED46_IR740_13.2 | length 6.7
  Top Layer w0.2: LED46_IR740_13.2@243.606,255.45 250.279,255.45
NetLED45_IR740_14_1: LED45_IR740_14.1 LED46_IR740_14.2 | length 6.7
  Top Layer w0.2: LED46_IR740_14.2@243.606,266.191 250.279,266.191
NetLED45_IR740_15_1: LED45_IR740_15.1 LED46_IR740_15.2 | length 6.7
  Top Layer w0.2: LED46_IR740_15.2@243.606,276.932 250.279,276.932
NetLED45_IR740_20_1: LED45_IR740_20.1 LED46_IR740_20.2 | length 6.7
  Top Layer w0.2: LED46_IR740_20.2@243.606,148.04 250.279,148.04
NetLED45_IR740_21_1: LED45_IR740_21.1 LED46_IR740_21.2 | length 6.7
  Top Layer w0.2: LED46_IR740_21.2@243.606,158.781 250.279,158.781
NetLED45_IR740_22_1: LED45_IR740_22.1 LED46_IR740_22.2 | length 6.7
  Top Layer w0.2: LED46_IR740_22.2@243.606,169.522 250.279,169.522
NetLED45_IR740_23_1: LED45_IR740_23.1 LED46_IR740_23.2 | length 6.7
  Top Layer w0.2: LED46_IR740_23.2@243.606,180.263 250.279,180.263
NetLED45_IR740_24_1: LED45_IR740_24.1 LED46_IR740_24.2 | length 6.7
  Top Layer w0.2: LED46_IR740_24.2@243.606,191.004 250.279,191.004
NetLED45_IR740_25_1: LED45_IR740_25.1 LED46_IR740_25.2 | length 6.7
  Top Layer w0.2: LED46_IR740_25.2@243.606,201.745 250.279,201.745
NetLED45_IR740_30_1: LED45_IR740_30.1 LED46_IR740_30.2 | length 6.7
  Top Layer w0.2: LED46_IR740_30.2@243.606,83.594 250.279,83.594
NetLED45_IR740_31_1: LED45_IR740_31.1 LED46_IR740_31.2 | length 6.7
  Top Layer w0.2: LED46_IR740_31.2@243.606,94.335 250.279,94.335
NetLED45_IR740_32_1: LED45_IR740_32.1 LED46_IR740_32.2 | length 6.7
  Top Layer w0.2: LED46_IR740_32.2@243.606,105.076 250.279,105.076
NetLED45_IR740_33_1: LED45_IR740_33.1 LED46_IR740_33.2 | length 6.7
  Top Layer w0.2: LED46_IR740_33.2@243.606,115.817 250.279,115.817
NetLED45_IR740_34_1: LED45_IR740_34.1 LED46_IR740_34.2 | length 6.7
  Top Layer w0.2: LED46_IR740_34.2@243.606,126.558 250.279,126.558
NetLED45_IR740_35_1: LED45_IR740_35.1 LED46_IR740_35.2 | length 6.7
  Top Layer w0.2: LED46_IR740_35.2@243.606,137.299 250.279,137.299
NetLED45_IR740_40_1: LED45_IR740_40.1 LED46_IR740_40.2 | length 6.7
  Top Layer w0.2: LED46_IR740_40.2@243.606,8.407 250.279,8.407
NetLED45_IR740_41_1: LED45_IR740_41.1 LED46_IR740_41.2 | length 6.7
  Top Layer w0.2: LED46_IR740_41.2@243.606,19.148 250.279,19.148
NetLED45_IR740_42_1: LED45_IR740_42.1 LED46_IR740_42.2 | length 6.7
  Top Layer w0.2: LED46_IR740_42.2@243.606,29.889 250.279,29.889
NetLED45_IR740_43_1: LED45_IR740_43.1 LED46_IR740_43.2 | length 6.7
  Top Layer w0.2: LED46_IR740_43.2@243.606,40.63 250.279,40.63
NetLED45_IR740_44_1: LED45_IR740_44.1 LED46_IR740_44.2 | length 6.7
  Top Layer w0.2: LED46_IR740_44.2@243.606,51.371 250.279,51.371
NetLED45_IR740_45_1: LED45_IR740_45.1 LED46_IR740_45.2 | length 6.7
  Top Layer w0.2: LED46_IR740_45.2@243.606,72.853 250.279,72.853
NetLED46_IR740_10_1: LED46_IR740_10.1 LED47_IR740_10.2 | length 23.7
  Top Layer w0.2: 228.4,212.486 222.124,212.486 228.797,212.486 239.538,212.486
NetLED46_IR740_11_1: LED46_IR740_11.1 LED47_IR740_11.2 | length 23.7
  Top Layer w0.2: 228.4,223.227 222.124,223.227 228.797,223.227 239.538,223.227
NetLED46_IR740_12_1: LED46_IR740_12.1 LED47_IR740_12.2 | length 23.7
  Top Layer w0.2: 228.4,244.709 222.124,244.709 228.797,244.709 239.538,244.709